# KiCad board first_keyboard.kicad_pcb (continued)
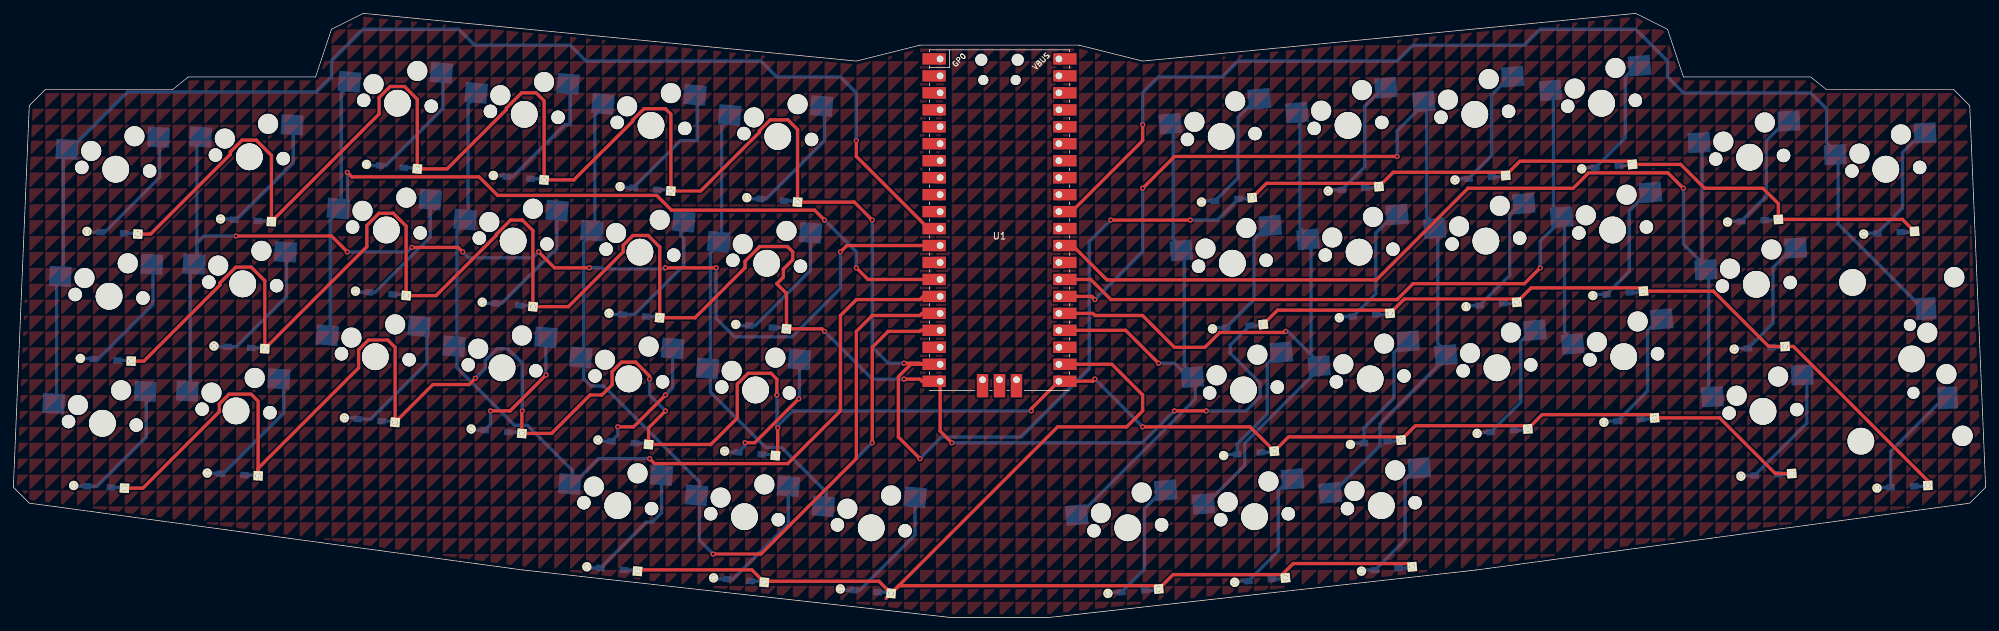
[diagram p0: board, top side]
## Copper pours and planes (outline as drawn; the poured copper is in the pictures)
(no net) on Top, Bottom: 33.34,76.2 33.34,73.82 35.72,76.2
(no net) on Top, Bottom: 54.77,140.49 54.77,138.11 57.15,140.49
(no net) on Top, Bottom: 135.73,42.86 135.73,40.48 138.11,42.86
(no net) on Top, Bottom: 140.49,145.26 140.49,142.88 142.88,145.26
(no net) on Top, Bottom: 259.56,121.44 259.56,119.06 261.94,121.44
(no net) on Top, Bottom: 276.22,126.21 276.22,123.83 278.61,126.21
(no net) on Top, Bottom: 288.13,0 288.13,-2.38 290.51,0
(no net) on Top, Bottom: 207.17,150.02 207.17,147.64 209.55,150.02
(no net) on Top, Bottom: 219.07,-23.81 219.07,-26.19 221.46,-23.81
(no net) on Top, Bottom: 288.13,11.91 288.13,9.53 290.51,11.91
(no net) on Top, Bottom: 288.13,128.59 288.13,126.21 290.51,128.59
(no net) on Top, Bottom: 35.72,-28.57 35.72,-30.96 38.1,-28.57
(no net) on Top, Bottom: 64.29,90.49 64.29,88.11 66.67,90.49
(no net) on Top, Bottom: 254.79,126.21 254.79,123.83 257.18,126.21
(no net) on Top, Bottom: 254.79,-35.72 254.79,-38.1 257.18,-35.72
(no net) on Top, Bottom: 19.05,114.3 19.05,111.92 21.43,114.3
(no net) on Top, Bottom: 7.14,-16.67 7.14,-19.05 9.53,-16.67
(no net) on Top, Bottom: 145.26,71.44 145.26,69.06 147.64,71.44
(no net) on Top, Bottom: 290.51,66.68 290.51,64.29 292.89,66.68
(no net) on Top, Bottom: 95.25,66.68 95.25,64.29 97.63,66.68
(no net) on Top, Bottom: 297.66,-21.43 297.66,-23.81 300.04,-21.43
(no net) on Top, Bottom: 297.66,133.35 297.66,130.97 300.04,133.35
(no net) on Top, Bottom: 4.76,45.24 4.76,42.86 7.14,45.24
(no net) on Top, Bottom: 178.59,40.48 178.59,38.1 180.98,40.48
(no net) on Top, Bottom: 276.22,61.91 276.22,59.53 278.61,61.91
(no net) on Top, Bottom: 42.86,76.2 42.86,73.82 45.24,76.2
(no net) on Top, Bottom: 85.73,33.34 85.73,30.96 88.11,33.34
(no net) on Top, Bottom: 200.02,78.58 200.02,76.2 202.41,78.58
(no net) on Top, Bottom: 147.64,54.77 147.64,52.39 150.02,54.77
(no net) on Top, Bottom: 171.45,128.59 171.45,126.21 173.83,128.59
(no net) on Top, Bottom: 57.15,116.68 57.15,114.3 59.53,116.68
(no net) on Top, Bottom: 178.59,47.62 178.59,45.24 180.98,47.62
(no net) on Top, Bottom: 102.39,66.68 102.39,64.29 104.77,66.68
(no net) on Top, Bottom: 54.77,133.35 54.77,130.97 57.15,133.35
(no net) on Top, Bottom: 138.11,14.29 138.11,11.91 140.49,14.29
(no net) on Top, Bottom: 107.16,88.11 107.16,85.72 109.54,88.11
(no net) on Top, Bottom: 240.51,107.16 240.51,104.78 242.89,107.16
(no net) on Top, Bottom: 230.98,-14.29 230.98,-16.67 233.36,-14.29
(no net) on Top, Bottom: 183.36,128.59 183.36,126.21 185.74,128.59
(no net) on Top, Bottom: 166.69,142.88 166.69,140.49 169.07,142.88
(no net) on Top, Bottom: 104.77,-21.43 104.77,-23.81 107.16,-21.43
(no net) on Top, Bottom: 64.29,14.29 64.29,11.91 66.67,14.29
(no net) on Top, Bottom: 300.04,-19.05 300.04,-21.43 302.42,-19.05
(no net) on Top, Bottom: 190.5,121.44 190.5,119.06 192.88,121.44
(no net) on Top, Bottom: 102.39,85.72 102.39,83.34 104.77,85.72
(no net) on Top, Bottom: 173.83,69.06 173.83,66.68 176.21,69.06
(no net) on Top, Bottom: 164.31,104.78 164.31,102.39 166.69,104.78
(no net) on Top, Bottom: 157.16,90.49 157.16,88.11 159.54,90.49
(no net) on Top, Bottom: 202.41,135.73 202.41,133.35 204.79,135.73
(no net) on Top, Bottom: 250.03,140.49 250.03,138.11 252.41,140.49
(no net) on Top, Bottom: 285.75,-7.14 285.75,-9.53 288.13,-7.14
(no net) on Top, Bottom: 297.66,123.83 297.66,121.44 300.04,123.83
(no net) on Top, Bottom: 102.39,35.72 102.39,33.34 104.77,35.72
(no net) on Top, Bottom: 223.84,64.29 223.84,61.91 226.22,64.29
(no net) on Top, Bottom: 28.58,-23.81 28.58,-26.19 30.96,-23.81
(no net) on Top, Bottom: 88.11,126.21 88.11,123.83 90.49,126.21
(no net) on Top, Bottom: 219.07,61.91 219.07,59.53 221.46,61.91
(no net) on Top, Bottom: 257.18,14.29 257.18,11.91 259.56,14.29
(no net) on Top, Bottom: 285.75,-14.29 285.75,-16.67 288.13,-14.29
(no net) on Top, Bottom: 69.06,54.77 69.06,52.39 71.44,54.77
(no net) on Top, Bottom: 123.83,121.44 123.83,119.06 126.21,121.44
(no net) on Top, Bottom: 40.48,135.73 40.48,133.35 42.86,135.73
(no net) on Top, Bottom: 276.22,133.35 276.22,130.97 278.61,133.35
(no net) on Top, Bottom: 135.73,121.44 135.73,119.06 138.11,121.44
(no net) on Top, Bottom: 238.12,78.58 238.12,76.2 240.51,78.58
(no net) on Top, Bottom: 254.79,130.97 254.79,128.59 257.18,130.97
(no net) on Top, Bottom: 42.86,-21.43 42.86,-23.81 45.24,-21.43
(no net) on Top, Bottom: 204.79,21.43 204.79,19.05 207.17,21.43
(no net) on Top, Bottom: 180.98,16.67 180.98,14.29 183.36,16.67
(no net) on Top, Bottom: 2.38,38.1 2.38,35.72 4.76,38.1
(no net) on Top, Bottom: 100.01,145.26 100.01,142.88 102.39,145.26
(no net) on Top, Bottom: 257.18,47.62 257.18,45.24 259.56,47.62
(no net) on Top, Bottom: 280.99,-19.05 280.99,-21.43 283.37,-19.05
(no net) on Top, Bottom: 300.04,21.43 300.04,19.05 302.42,21.43
(no net) on Top, Bottom: 119.06,54.77 119.06,52.39 121.44,54.77
(no net) on Top, Bottom: 171.45,69.06 171.45,66.68 173.83,69.06
(no net) on Top, Bottom: 240.51,80.96 240.51,78.58 242.89,80.96
(no net) on Top, Bottom: 176.21,95.25 176.21,92.87 178.59,95.25
(no net) on Top, Bottom: 61.91,140.49 61.91,138.11 64.29,140.49
(no net) on Top, Bottom: 21.43,107.16 21.43,104.78 23.81,107.16
(no net) on Top, Bottom: 269.08,119.06 269.08,116.68 271.46,119.06
(no net) on Top, Bottom: 173.83,-26.19 173.83,-28.57 176.21,-26.19
(no net) on Top, Bottom: 7.14,85.72 7.14,83.34 9.53,85.72
(no net) on Top, Bottom: 202.41,-7.14 202.41,-9.53 204.79,-7.14
(no net) on Top, Bottom: 178.59,150.02 178.59,147.64 180.98,150.02
(no net) on Top, Bottom: 33.34,100.01 33.34,97.63 35.72,100.01
(no net) on Top, Bottom: 188.12,50.01 188.12,47.62 190.5,50.01
(no net) on Top, Bottom: 126.21,130.97 126.21,128.59 128.59,130.97
(no net) on Top, Bottom: 19.05,102.39 19.05,100.01 21.43,102.39
(no net) on Top, Bottom: 107.16,-33.34 107.16,-35.72 109.54,-33.34
(no net) on Top, Bottom: 188.12,14.29 188.12,11.91 190.5,14.29
(no net) on Top, Bottom: 228.6,73.82 228.6,71.44 230.98,73.82
(no net) on Top, Bottom: 130.97,35.72 130.97,33.34 133.35,35.72
(no net) on Top, Bottom: 140.49,97.63 140.49,95.25 142.88,97.63
(no net) on Top, Bottom: 7.14,42.86 7.14,40.48 9.53,42.86
(no net) on Top, Bottom: 180.98,76.2 180.98,73.82 183.36,76.2
(no net) on Top, Bottom: 235.74,150.02 235.74,147.64 238.12,150.02
(no net) on Top, Bottom: 54.77,83.34 54.77,80.96 57.15,83.34
(no net) on Top, Bottom: 180.98,42.86 180.98,40.48 183.36,42.86
(no net) on Top, Bottom: 297.66,35.72 297.66,33.34 300.04,35.72
(no net) on Top, Bottom: 88.11,102.39 88.11,100.01 90.49,102.39
(no net) on Top, Bottom: 200.02,126.21 200.02,123.83 202.41,126.21
(no net) on Top, Bottom: 111.92,-28.57 111.92,-30.96 114.3,-28.57
(no net) on Top, Bottom: 35.72,80.96 35.72,78.58 38.1,80.96
(no net) on Top, Bottom: 52.39,45.24 52.39,42.86 54.77,45.24
(no net) on Top, Bottom: 180.98,-21.43 180.98,-23.81 183.36,-21.43
(no net) on Top, Bottom: 78.58,-35.72 78.58,-38.1 80.96,-35.72
(no net) on Top, Bottom: 38.1,-26.19 38.1,-28.57 40.48,-26.19
(no net) on Top, Bottom: 242.89,150.02 242.89,147.64 245.27,150.02
(no net) on Top, Bottom: 140.49,40.48 140.49,38.1 142.88,40.48
(no net) on Top, Bottom: 114.3,38.1 114.3,35.72 116.68,38.1
(no net) on Top, Bottom: 19.05,119.06 19.05,116.68 21.43,119.06
(no net) on Top, Bottom: 192.88,128.59 192.88,126.21 195.26,128.59
(no net) on Top, Bottom: 90.49,23.81 90.49,21.43 92.87,23.81
(no net) on Top, Bottom: 176.21,-26.19 176.21,-28.57 178.59,-26.19
(no net) on Top, Bottom: 278.61,42.86 278.61,40.48 280.99,42.86
(no net) on Top, Bottom: 209.55,11.91 209.55,9.53 211.93,11.91
(no net) on Top, Bottom: 154.78,57.15 154.78,54.77 157.16,57.15
(no net) on Top, Bottom: 223.84,-23.81 223.84,-26.19 226.22,-23.81
(no net) on Top, Bottom: 188.12,102.39 188.12,100.01 190.5,102.39
(no net) on Top, Bottom: 114.3,111.92 114.3,109.54 116.68,111.92
(no net) on Top, Bottom: 123.83,133.35 123.83,130.97 126.21,133.35
(no net) on Top, Bottom: 135.73,104.78 135.73,102.39 138.11,104.78
(no net) on Top, Bottom: 159.54,14.29 159.54,11.91 161.93,14.29
(no net) on Top, Bottom: 216.69,64.29 216.69,61.91 219.07,64.29
(no net) on Top, Bottom: 226.22,-33.34 226.22,-35.72 228.6,-33.34
(no net) on Top, Bottom: 238.12,145.26 238.12,142.88 240.51,145.26
(no net) on Top, Bottom: 180.98,2.38 180.98,0 183.36,2.38
(no net) on Top, Bottom: 166.69,80.96 166.69,78.58 169.07,80.96
(no net) on Top, Bottom: 269.08,-21.43 269.08,-23.81 271.46,-21.43
(no net) on Top, Bottom: 9.53,90.49 9.53,88.11 11.91,90.49
(no net) on Top, Bottom: 183.36,109.54 183.36,107.16 185.74,109.54
(no net) on Top, Bottom: 211.93,-28.57 211.93,-30.96 214.31,-28.57
(no net) on Top, Bottom: 178.59,21.43 178.59,19.05 180.98,21.43
(no net) on Top, Bottom: 138.11,140.49 138.11,138.11 140.49,140.49
(no net) on Top, Bottom: 100.01,26.19 100.01,23.81 102.39,26.19
(no net) on Top, Bottom: 128.59,-33.34 128.59,-35.72 130.97,-33.34
(no net) on Top, Bottom: 147.64,97.63 147.64,95.25 150.02,97.63
(no net) on Top, Bottom: 61.91,111.92 61.91,109.54 64.29,111.92
(no net) on Top, Bottom: 200.02,54.77 200.02,52.39 202.41,54.77
(no net) on Top, Bottom: 142.88,16.67 142.88,14.29 145.26,16.67
(no net) on Top, Bottom: 223.84,135.73 223.84,133.35 226.22,135.73
(no net) on Top, Bottom: 145.26,50.01 145.26,47.62 147.64,50.01
(no net) on Top, Bottom: 95.25,4.76 95.25,2.38 97.63,4.76
(no net) on Top, Bottom: 233.36,54.77 233.36,52.39 235.74,54.77
(no net) on Top, Bottom: 161.93,11.91 161.93,9.53 164.31,11.91
(no net) on Top, Bottom: 104.77,114.3 104.77,111.92 107.16,114.3
(no net) on Top, Bottom: 2.38,-11.91 2.38,-14.29 4.76,-11.91
(no net) on Top, Bottom: 30.96,90.49 30.96,88.11 33.34,90.49
(no net) on Top, Bottom: 92.87,28.57 92.87,26.19 95.25,28.57
(no net) on Top, Bottom: 192.88,47.62 192.88,45.24 195.26,47.62
(no net) on Top, Bottom: 54.77,-28.57 54.77,-30.96 57.15,-28.57
(no net) on Top, Bottom: 230.98,145.26 230.98,142.88 233.36,145.26
(no net) on Top, Bottom: 221.46,97.63 221.46,95.25 223.84,97.63
(no net) on Top, Bottom: 92.87,80.96 92.87,78.58 95.25,80.96
(no net) on Top, Bottom: 150.02,-26.19 150.02,-28.57 152.4,-26.19
(no net) on Top, Bottom: 150.02,80.96 150.02,78.58 152.4,80.96
(no net) on Top, Bottom: 28.58,45.24 28.58,42.86 30.96,45.24
(no net) on Top, Bottom: 90.49,145.26 90.49,142.88 92.87,145.26
(no net) on Top, Bottom: 159.54,102.39 159.54,100.01 161.93,102.39
(no net) on Top, Bottom: 61.91,83.34 61.91,80.96 64.29,83.34
(no net) on Top, Bottom: 57.15,119.06 57.15,116.68 59.53,119.06
(no net) on Top, Bottom: 169.07,100.01 169.07,97.63 171.45,100.01
(no net) on Top, Bottom: 16.67,11.91 16.67,9.53 19.05,11.91
(no net) on Top, Bottom: 214.31,128.59 214.31,126.21 216.69,128.59
(no net) on Top, Bottom: 290.51,102.39 290.51,100.01 292.89,102.39
(no net) on Top, Bottom: 173.83,35.72 173.83,33.34 176.21,35.72
(no net) on Top, Bottom: 292.89,-11.91 292.89,-14.29 295.27,-11.91
(no net) on Top, Bottom: 111.92,140.49 111.92,138.11 114.3,140.49
(no net) on Top, Bottom: 9.53,45.24 9.53,42.86 11.91,45.24
(no net) on Top, Bottom: 35.72,26.19 35.72,23.81 38.1,26.19
(no net) on Top, Bottom: 76.2,95.25 76.2,92.87 78.58,95.25
(no net) on Top, Bottom: 226.22,95.25 226.22,92.87 228.6,95.25
(no net) on Top, Bottom: 119.06,-19.05 119.06,-21.43 121.44,-19.05
(no net) on Top, Bottom: 138.11,57.15 138.11,54.77 140.49,57.15
(no net) on Top, Bottom: 259.56,4.76 259.56,2.38 261.94,4.76
(no net) on Top, Bottom: 69.06,95.25 69.06,92.87 71.44,95.25
(no net) on Top, Bottom: 76.2,64.29 76.2,61.91 78.58,64.29
(no net) on Top, Bottom: 233.36,97.63 233.36,95.25 235.74,97.63
(no net) on Top, Bottom: 100.01,73.82 100.01,71.44 102.39,73.82
(no net) on Top, Bottom: 285.75,-26.19 285.75,-28.57 288.13,-26.19
(no net) on Top, Bottom: 197.64,-16.67 197.64,-19.05 200.02,-16.67
(no net) on Top, Bottom: 257.18,114.3 257.18,111.92 259.56,114.3
(no net) on Top, Bottom: 78.58,69.06 78.58,66.68 80.96,69.06
(no net) on Top, Bottom: 45.24,-2.38 45.24,-4.76 47.62,-2.38
(no net) on Top, Bottom: 54.77,135.73 54.77,133.35 57.15,135.73
(no net) on Top, Bottom: 171.45,107.16 171.45,104.78 173.83,107.16
(no net) on Top, Bottom: 211.93,147.64 211.93,145.26 214.31,147.64
(no net) on Top, Bottom: 180.98,52.39 180.98,50.01 183.36,52.39
(no net) on Top, Bottom: 285.75,59.53 285.75,57.15 288.13,59.53
(no net) on Top, Bottom: 200.02,147.64 200.02,145.26 202.41,147.64
(no net) on Top, Bottom: 185.74,147.64 185.74,145.26 188.12,147.64
(no net) on Top, Bottom: 11.91,104.78 11.91,102.39 14.29,104.78
(no net) on Top, Bottom: 42.86,123.83 42.86,121.44 45.24,123.83
(no net) on Top, Bottom: 178.59,7.14 178.59,4.76 180.98,7.14
(no net) on Top, Bottom: 4.76,50.01 4.76,47.62 7.14,50.01
(no net) on Top, Bottom: 104.77,54.77 104.77,52.39 107.16,54.77
(no net) on Top, Bottom: 271.46,104.78 271.46,102.39 273.84,104.78
(no net) on Top, Bottom: 273.84,123.83 273.84,121.44 276.22,123.83
(no net) on Top, Bottom: 219.07,147.64 219.07,145.26 221.46,147.64
(no net) on Top, Bottom: 152.4,52.39 152.4,50.01 154.78,52.39
(no net) on Top, Bottom: 14.29,114.3 14.29,111.92 16.67,114.3
(no net) on Top, Bottom: 135.73,123.83 135.73,121.44 138.11,123.83
(no net) on Top, Bottom: 83.34,0 83.34,-2.38 85.73,0
(no net) on Top, Bottom: 207.17,-16.67 207.17,-19.05 209.55,-16.67
(no net) on Top, Bottom: 45.24,100.01 45.24,97.63 47.62,100.01
(no net) on Top, Bottom: 221.46,-35.72 221.46,-38.1 223.84,-35.72
(no net) on Top, Bottom: 192.88,111.92 192.88,109.54 195.26,111.92
(no net) on Top, Bottom: 85.73,-33.34 85.73,-35.72 88.11,-33.34
(no net) on Top, Bottom: 88.11,-19.05 88.11,-21.43 90.49,-19.05
(no net) on Top, Bottom: 35.72,133.35 35.72,130.97 38.1,133.35
(no net) on Top, Bottom: 138.11,45.24 138.11,42.86 140.49,45.24
(no net) on Top, Bottom: 226.22,14.29 226.22,11.91 228.6,14.29
(no net) on Top, Bottom: 73.82,-23.81 73.82,-26.19 76.2,-23.81
(no net) on Top, Bottom: 142.88,64.29 142.88,61.91 145.26,64.29
(no net) on Top, Bottom: 195.26,14.29 195.26,11.91 197.64,14.29
(no net) on Top, Bottom: 211.93,73.82 211.93,71.44 214.31,73.82
(no net) on Top, Bottom: 97.63,52.39 97.63,50.01 100.01,52.39
(no net) on Top, Bottom: 61.91,-4.76 61.91,-7.14 64.29,-4.76
(no net) on Top, Bottom: 161.93,116.68 161.93,114.3 164.31,116.68
(no net) on Top, Bottom: 38.1,83.34 38.1,80.96 40.48,83.34
(no net) on Top, Bottom: 285.75,23.81 285.75,21.43 288.13,23.81
(no net) on Top, Bottom: 150.02,0 150.02,-2.38 152.4,0
(no net) on Top, Bottom: 66.67,59.53 66.67,57.15 69.06,59.53
(no net) on Top, Bottom: 71.44,-28.57 71.44,-30.96 73.82,-28.57
(no net) on Top, Bottom: 204.79,-28.57 204.79,-30.96 207.17,-28.57
(no net) on Top, Bottom: 257.18,104.78 257.18,102.39 259.56,104.78
(no net) on Top, Bottom: 69.06,-30.96 69.06,-33.34 71.44,-30.96
(no net) on Top, Bottom: 161.93,-33.34 161.93,-35.72 164.31,-33.34
(no net) on Top, Bottom: 92.87,52.39 92.87,50.01 95.25,52.39
(no net) on Top, Bottom: 38.1,0 38.1,-2.38 40.48,0
(no net) on Top, Bottom: 14.29,35.72 14.29,33.34 16.67,35.72
(no net) on Top, Bottom: 30.96,130.97 30.96,128.59 33.34,130.97
(no net) on Top, Bottom: 116.68,50.01 116.68,47.62 119.06,50.01
(no net) on Top, Bottom: 273.84,95.25 273.84,92.87 276.22,95.25
(no net) on Top, Bottom: 83.34,7.14 83.34,4.76 85.73,7.14
(no net) on Top, Bottom: 209.55,0 209.55,-2.38 211.93,0
(no net) on Top, Bottom: 45.24,69.06 45.24,66.68 47.62,69.06
(no net) on Top, Bottom: 171.45,35.72 171.45,33.34 173.83,35.72
(no net) on Top, Bottom: 38.1,-21.43 38.1,-23.81 40.48,-21.43
(no net) on Top, Bottom: 242.89,28.57 242.89,26.19 245.27,28.57
(no net) on Top, Bottom: 71.44,-23.81 71.44,-26.19 73.82,-23.81
(no net) on Top, Bottom: 14.29,80.96 14.29,78.58 16.67,80.96
(no net) on Top, Bottom: 26.19,102.39 26.19,100.01 28.58,102.39
(no net) on Top, Bottom: 7.14,73.82 7.14,71.44 9.53,73.82
(no net) on Top, Bottom: 130.97,100.01 130.97,97.63 133.35,100.01
(no net) on Top, Bottom: 185.74,52.39 185.74,50.01 188.12,52.39
(no net) on Top, Bottom: 59.53,40.48 59.53,38.1 61.91,40.48
(no net) on Top, Bottom: 0,90.49 0,88.11 2.38,90.49
(no net) on Top, Bottom: 302.42,123.83 302.42,121.44 304.8,123.83
(no net) on Top, Bottom: 69.06,-33.34 69.06,-35.72 71.44,-33.34
(no net) on Top, Bottom: 92.87,140.49 92.87,138.11 95.25,140.49
(no net) on Top, Bottom: 240.51,38.1 240.51,35.72 242.89,38.1
(no net) on Top, Bottom: 300.04,-9.53 300.04,-11.91 302.42,-9.53
(no net) on Top, Bottom: 169.07,33.34 169.07,30.96 171.45,33.34
(no net) on Top, Bottom: 278.61,147.64 278.61,145.26 280.99,147.64
(no net) on Top, Bottom: 64.29,135.73 64.29,133.35 66.67,135.73
(no net) on Top, Bottom: 266.7,2.38 266.7,0 269.08,2.38
(no net) on Top, Bottom: 207.17,-9.53 207.17,-11.91 209.55,-9.53
(no net) on Top, Bottom: 173.83,45.24 173.83,42.86 176.21,45.24
(no net) on Top, Bottom: 76.2,145.26 76.2,142.88 78.58,145.26
(no net) on Top, Bottom: 171.45,-4.76 171.45,-7.14 173.83,-4.76
(no net) on Top, Bottom: 33.34,26.19 33.34,23.81 35.72,26.19
(no net) on Top, Bottom: 195.26,142.88 195.26,140.49 197.64,142.88
(no net) on Top, Bottom: 16.67,50.01 16.67,47.62 19.05,50.01
(no net) on Top, Bottom: 28.58,78.58 28.58,76.2 30.96,78.58
(no net) on Top, Bottom: 100.01,-14.29 100.01,-16.67 102.39,-14.29
(no net) on Top, Bottom: 52.39,78.58 52.39,76.2 54.77,78.58
(no net) on Top, Bottom: 269.08,-19.05 269.08,-21.43 271.46,-19.05
(no net) on Top, Bottom: 14.29,85.72 14.29,83.34 16.67,85.72
(no net) on Top, Bottom: 200.02,59.53 200.02,57.15 202.41,59.53
(no net) on Top, Bottom: 183.36,-23.81 183.36,-26.19 185.74,-23.81
(no net) on Top, Bottom: 88.11,92.87 88.11,90.49 90.49,92.87
(no net) on Top, Bottom: 183.36,119.06 183.36,116.68 185.74,119.06
(no net) on Top, Bottom: 269.08,123.83 269.08,121.44 271.46,123.83
(no net) on Top, Bottom: 38.1,126.21 38.1,123.83 40.48,126.21
(no net) on Top, Bottom: 209.55,92.87 209.55,90.49 211.93,92.87
(no net) on Top, Bottom: 59.53,61.91 59.53,59.53 61.91,61.91
(no net) on Top, Bottom: 59.53,11.91 59.53,9.53 61.91,11.91
(no net) on Top, Bottom: 195.26,38.1 195.26,35.72 197.64,38.1
(no net) on Top, Bottom: 283.37,104.78 283.37,102.39 285.75,104.78
(no net) on Top, Bottom: 88.11,107.16 88.11,104.78 90.49,107.16
(no net) on Top, Bottom: 140.49,11.91 140.49,9.53 142.88,11.91
(no net) on Top, Bottom: 111.92,-26.19 111.92,-28.57 114.3,-26.19
(no net) on Top, Bottom: 180.98,50.01 180.98,47.62 183.36,50.01
(no net) on Top, Bottom: 147.64,135.73 147.64,133.35 150.02,135.73
(no net) on Top, Bottom: 130.97,92.87 130.97,90.49 133.35,92.87
(no net) on Top, Bottom: 176.21,9.53 176.21,7.14 178.59,9.53
(no net) on Top, Bottom: 240.51,-26.19 240.51,-28.57 242.89,-26.19
(no net) on Top, Bottom: 2.38,85.72 2.38,83.34 4.76,85.72
(no net) on Top, Bottom: 114.3,-28.57 114.3,-30.96 116.68,-28.57
(no net) on Top, Bottom: 235.74,52.39 235.74,50.01 238.12,52.39
(no net) on Top, Bottom: 164.31,116.68 164.31,114.3 166.69,116.68
(no net) on Top, Bottom: 271.46,88.11 271.46,85.72 273.84,88.11
(no net) on Top, Bottom: 145.26,97.63 145.26,95.25 147.64,97.63
(no net) on Top, Bottom: 254.79,73.82 254.79,71.44 257.18,73.82
(no net) on Top, Bottom: 42.86,38.1 42.86,35.72 45.24,38.1
(no net) on Top, Bottom: 245.27,11.91 245.27,9.53 247.65,11.91
(no net) on Top, Bottom: 302.42,-19.05 302.42,-21.43 304.8,-19.05
(no net) on Top, Bottom: 152.4,42.86 152.4,40.48 154.78,42.86
(no net) on Top, Bottom: 73.82,130.97 73.82,128.59 76.2,130.97
(no net) on Top, Bottom: 176.21,126.21 176.21,123.83 178.59,126.21
(no net) on Top, Bottom: 159.54,21.43 159.54,19.05 161.93,21.43
(no net) on Top, Bottom: 304.8,16.67 304.8,14.29 307.18,16.67
(no net) on Top, Bottom: 40.48,69.06 40.48,66.68 42.86,69.06
(no net) on Top, Bottom: 54.77,73.82 54.77,71.44 57.15,73.82
(no net) on Top, Bottom: 52.39,-9.53 52.39,-11.91 54.77,-9.53
(no net) on Top, Bottom: 188.12,-33.34 188.12,-35.72 190.5,-33.34
(no net) on Top, Bottom: 80.96,88.11 80.96,85.72 83.34,88.11
(no net) on Top, Bottom: 92.87,38.1 92.87,35.72 95.25,38.1
(no net) on Top, Bottom: 85.73,145.26 85.73,142.88 88.11,145.26
(no net) on Top, Bottom: 223.84,-38.1 223.84,-40.48 226.22,-38.1
(no net) on Top, Bottom: 290.51,-38.1 290.51,-40.48 292.89,-38.1
(no net) on Top, Bottom: 111.92,-14.29 111.92,-16.67 114.3,-14.29
(no net) on Top, Bottom: 164.31,66.68 164.31,64.29 166.69,66.68
(no net) on Top, Bottom: 240.51,35.72 240.51,33.34 242.89,35.72
(no net) on Top, Bottom: 0,92.87 0,90.49 2.38,92.87
(no net) on Top, Bottom: 95.25,147.64 95.25,145.26 97.63,147.64
(no net) on Top, Bottom: 145.26,4.76 145.26,2.38 147.64,4.76
(no net) on Top, Bottom: 209.55,54.77 209.55,52.39 211.93,54.77
(no net) on Top, Bottom: 66.67,90.49 66.67,88.11 69.06,90.49
(no net) on Top, Bottom: 21.43,9.53 21.43,7.14 23.81,9.53
(no net) on Top, Bottom: 180.98,35.72 180.98,33.34 183.36,35.72
(no net) on Top, Bottom: 271.46,111.92 271.46,109.54 273.84,111.92
(no net) on Top, Bottom: 107.16,128.59 107.16,126.21 109.54,128.59
(no net) on Top, Bottom: 223.84,107.16 223.84,104.78 226.22,107.16
(no net) on Top, Bottom: 97.63,16.67 97.63,14.29 100.01,16.67
(no net) on Top, Bottom: 169.07,116.68 169.07,114.3 171.45,116.68
(no net) on Top, Bottom: 183.36,90.49 183.36,88.11 185.74,90.49
(no net) on Top, Bottom: 40.48,-19.05 40.48,-21.43 42.86,-19.05
(no net) on Top, Bottom: 21.43,-28.57 21.43,-30.96 23.81,-28.57
(no net) on Top, Bottom: 16.67,-35.72 16.67,-38.1 19.05,-35.72
(no net) on Top, Bottom: 50.01,142.88 50.01,140.49 52.39,142.88
(no net) on Top, Bottom: 71.44,-9.53 71.44,-11.91 73.82,-9.53
(no net) on Top, Bottom: 280.99,-11.91 280.99,-14.29 283.37,-11.91
(no net) on Top, Bottom: 264.32,150.02 264.32,147.64 266.7,150.02
(no net) on Top, Bottom: 178.59,133.35 178.59,130.97 180.98,133.35
(no net) on Top, Bottom: 197.64,73.82 197.64,71.44 200.02,73.82
(no net) on Top, Bottom: 45.24,2.38 45.24,0 47.62,2.38
(no net) on Top, Bottom: 95.25,78.58 95.25,76.2 97.63,78.58
(no net) on Top, Bottom: 126.21,40.48 126.21,38.1 128.59,40.48
(no net) on Top, Bottom: 11.91,111.92 11.91,109.54 14.29,111.92
(no net) on Top, Bottom: 273.84,126.21 273.84,123.83 276.22,126.21
(no net) on Top, Bottom: 11.91,-28.57 11.91,-30.96 14.29,-28.57
(no net) on Top, Bottom: 19.05,64.29 19.05,61.91 21.43,64.29
(no net) on Top, Bottom: 204.79,126.21 204.79,123.83 207.17,126.21
(no net) on Top, Bottom: 90.49,35.72 90.49,33.34 92.87,35.72
(no net) on Top, Bottom: 295.27,-26.19 295.27,-28.57 297.66,-26.19
(no net) on Top, Bottom: 116.68,57.15 116.68,54.77 119.06,57.15
(no net) on Top, Bottom: 95.25,11.91 95.25,9.53 97.63,11.91
(no net) on Top, Bottom: 276.22,23.81 276.22,21.43 278.61,23.81
(no net) on Top, Bottom: 35.72,9.53 35.72,7.14 38.1,9.53
(no net) on Top, Bottom: 119.06,35.72 119.06,33.34 121.44,35.72
(no net) on Top, Bottom: 104.77,95.25 104.77,92.87 107.16,95.25
(no net) on Top, Bottom: 157.16,147.64 157.16,145.26 159.54,147.64
(no net) on Top, Bottom: 202.41,11.91 202.41,9.53 204.79,11.91
(no net) on Top, Bottom: 64.29,116.68 64.29,114.3 66.67,116.68
(no net) on Top, Bottom: 54.77,28.57 54.77,26.19 57.15,28.57
(no net) on Top, Bottom: 107.16,54.77 107.16,52.39 109.54,54.77
(no net) on Top, Bottom: 226.22,-4.76 226.22,-7.14 228.6,-4.76
(no net) on Top, Bottom: 230.98,107.16 230.98,104.78 233.36,107.16
(no net) on Top, Bottom: 178.59,52.39 178.59,50.01 180.98,52.39
(no net) on Top, Bottom: 211.93,45.24 211.93,42.86 214.31,45.24
(no net) on Top, Bottom: 171.45,80.96 171.45,78.58 173.83,80.96
(no net) on Top, Bottom: 107.16,69.06 107.16,66.68 109.54,69.06
(no net) on Top, Bottom: 214.31,147.64 214.31,145.26 216.69,147.64
(no net) on Top, Bottom: 285.75,54.77 285.75,52.39 288.13,54.77
(no net) on Top, Bottom: 273.84,-14.29 273.84,-16.67 276.22,-14.29
(no net) on Top, Bottom: 0,-4.76 0,-7.14 2.38,-4.76
(no net) on Top, Bottom: 173.83,85.72 173.83,83.34 176.21,85.72
(no net) on Top, Bottom: 154.78,23.81 154.78,21.43 157.16,23.81
(no net) on Top, Bottom: 228.6,-38.1 228.6,-40.48 230.98,-38.1
(no net) on Top, Bottom: 204.79,76.2 204.79,73.82 207.17,76.2
(no net) on Top, Bottom: 280.99,104.78 280.99,102.39 283.37,104.78
(no net) on Top, Bottom: 290.51,150.02 290.51,147.64 292.89,150.02
(no net) on Top, Bottom: 238.12,128.59 238.12,126.21 240.51,128.59
(no net) on Top, Bottom: 302.42,33.34 302.42,30.96 304.8,33.34
(no net) on Top, Bottom: 250.03,-33.34 250.03,-35.72 252.41,-33.34
(no net) on Top, Bottom: 300.04,-28.57 300.04,-30.96 302.42,-28.57
(no net) on Top, Bottom: 78.58,26.19 78.58,23.81 80.96,26.19
(no net) on Top, Bottom: 266.7,109.54 266.7,107.16 269.08,109.54
(no net) on Top, Bottom: 200.02,128.59 200.02,126.21 202.41,128.59
(no net) on Top, Bottom: 254.79,9.53 254.79,7.14 257.18,9.53
(no net) on Top, Bottom: 185.74,0 185.74,-2.38 188.12,0
(no net) on Top, Bottom: 214.31,45.24 214.31,42.86 216.69,45.24
(no net) on Top, Bottom: 35.72,69.06 35.72,66.68 38.1,69.06
(no net) on Top, Bottom: 276.22,7.14 276.22,4.76 278.61,7.14
(no net) on Top, Bottom: 33.34,-4.76 33.34,-7.14 35.72,-4.76
(no net) on Top, Bottom: 30.96,50.01 30.96,47.62 33.34,50.01
(no net) on Top, Bottom: 142.88,42.86 142.88,40.48 145.26,42.86
(no net) on Top, Bottom: 157.16,59.53 157.16,57.15 159.54,59.53
(no net) on Top, Bottom: 52.39,126.21 52.39,123.83 54.77,126.21
(no net) on Top, Bottom: 109.54,126.21 109.54,123.83 111.92,126.21
(no net) on Top, Bottom: 169.07,80.96 169.07,78.58 171.45,80.96
(no net) on Top, Bottom: 95.25,42.86 95.25,40.48 97.63,42.86
(no net) on Top, Bottom: 221.46,14.29 221.46,11.91 223.84,14.29
(no net) on Top, Bottom: 26.19,9.53 26.19,7.14 28.58,9.53
(no net) on Top, Bottom: 14.29,-30.96 14.29,-33.34 16.67,-30.96
(no net) on Top, Bottom: 145.26,119.06 145.26,116.68 147.64,119.06
(no net) on Top, Bottom: 257.18,71.44 257.18,69.06 259.56,71.44
(no net) on Top, Bottom: 269.08,-28.57 269.08,-30.96 271.46,-28.57
(no net) on Top, Bottom: 259.56,28.57 259.56,26.19 261.94,28.57
(no net) on Top, Bottom: 14.29,-2.38 14.29,-4.76 16.67,-2.38
(no net) on Top, Bottom: 226.22,111.92 226.22,109.54 228.6,111.92
(no net) on Top, Bottom: 116.68,64.29 116.68,61.91 119.06,64.29
(no net) on Top, Bottom: 176.21,135.73 176.21,133.35 178.59,135.73
(no net) on Top, Bottom: 221.46,54.77 221.46,52.39 223.84,54.77
(no net) on Top, Bottom: 71.44,0 71.44,-2.38 73.82,0
(no net) on Top, Bottom: 273.84,59.53 273.84,57.15 276.22,59.53
(no net) on Top, Bottom: 73.82,-19.05 73.82,-21.43 76.2,-19.05
(no net) on Top, Bottom: 159.54,33.34 159.54,30.96 161.93,33.34
(no net) on Top, Bottom: 138.11,135.73 138.11,133.35 140.49,135.73
(no net) on Top, Bottom: 247.65,38.1 247.65,35.72 250.03,38.1
(no net) on Top, Bottom: 57.15,50.01 57.15,47.62 59.53,50.01
(no net) on Top, Bottom: 95.25,21.43 95.25,19.05 97.63,21.43
(no net) on Top, Bottom: 116.68,100.01 116.68,97.63 119.06,100.01
(no net) on Top, Bottom: 9.53,0 9.53,-2.38 11.91,0
(no net) on Top, Bottom: 111.92,138.11 111.92,135.73 114.3,138.11
(no net) on Top, Bottom: 107.16,11.91 107.16,9.53 109.54,11.91
(no net) on Top, Bottom: 216.69,135.73 216.69,133.35 219.07,135.73
(no net) on Top, Bottom: 83.34,76.2 83.34,73.82 85.73,76.2
(no net) on Top, Bottom: 171.45,30.96 171.45,28.57 173.83,30.96
(no net) on Top, Bottom: 116.68,133.35 116.68,130.97 119.06,133.35
(no net) on Top, Bottom: 250.03,145.26 250.03,142.88 252.41,145.26
(no net) on Top, Bottom: 161.93,121.44 161.93,119.06 164.31,121.44
(no net) on Top, Bottom: 54.77,33.34 54.77,30.96 57.15,33.34
(no net) on Top, Bottom: 247.65,9.53 247.65,7.14 250.03,9.53
(no net) on Top, Bottom: 97.63,4.76 97.63,2.38 100.01,4.76
(no net) on Top, Bottom: 152.4,130.97 152.4,128.59 154.78,130.97
(no net) on Top, Bottom: 169.07,-7.14 169.07,-9.53 171.45,-7.14
(no net) on Top, Bottom: 295.27,119.06 295.27,116.68 297.66,119.06
(no net) on Top, Bottom: 180.98,-2.38 180.98,-4.76 183.36,-2.38
(no net) on Top, Bottom: 121.44,23.81 121.44,21.43 123.83,23.81
(no net) on Top, Bottom: 9.53,61.91 9.53,59.53 11.91,61.91
(no net) on Top, Bottom: 30.96,69.06 30.96,66.68 33.34,69.06
(no net) on Top, Bottom: 121.44,80.96 121.44,78.58 123.83,80.96
(no net) on Top, Bottom: 221.46,52.39 221.46,50.01 223.84,52.39
